# Altium PCB TCS-1900.PcbDoc (part 1 of 2)
Units mm, origin at the board's own origin, x right, y up, seen from the top; angles counter-clockwise.
Board outline 76.53 x 65.3 mm, 2 copper layers (Top Layer, Bottom Layer); 172 components, 114 nets, 608 pads, 144 vias.
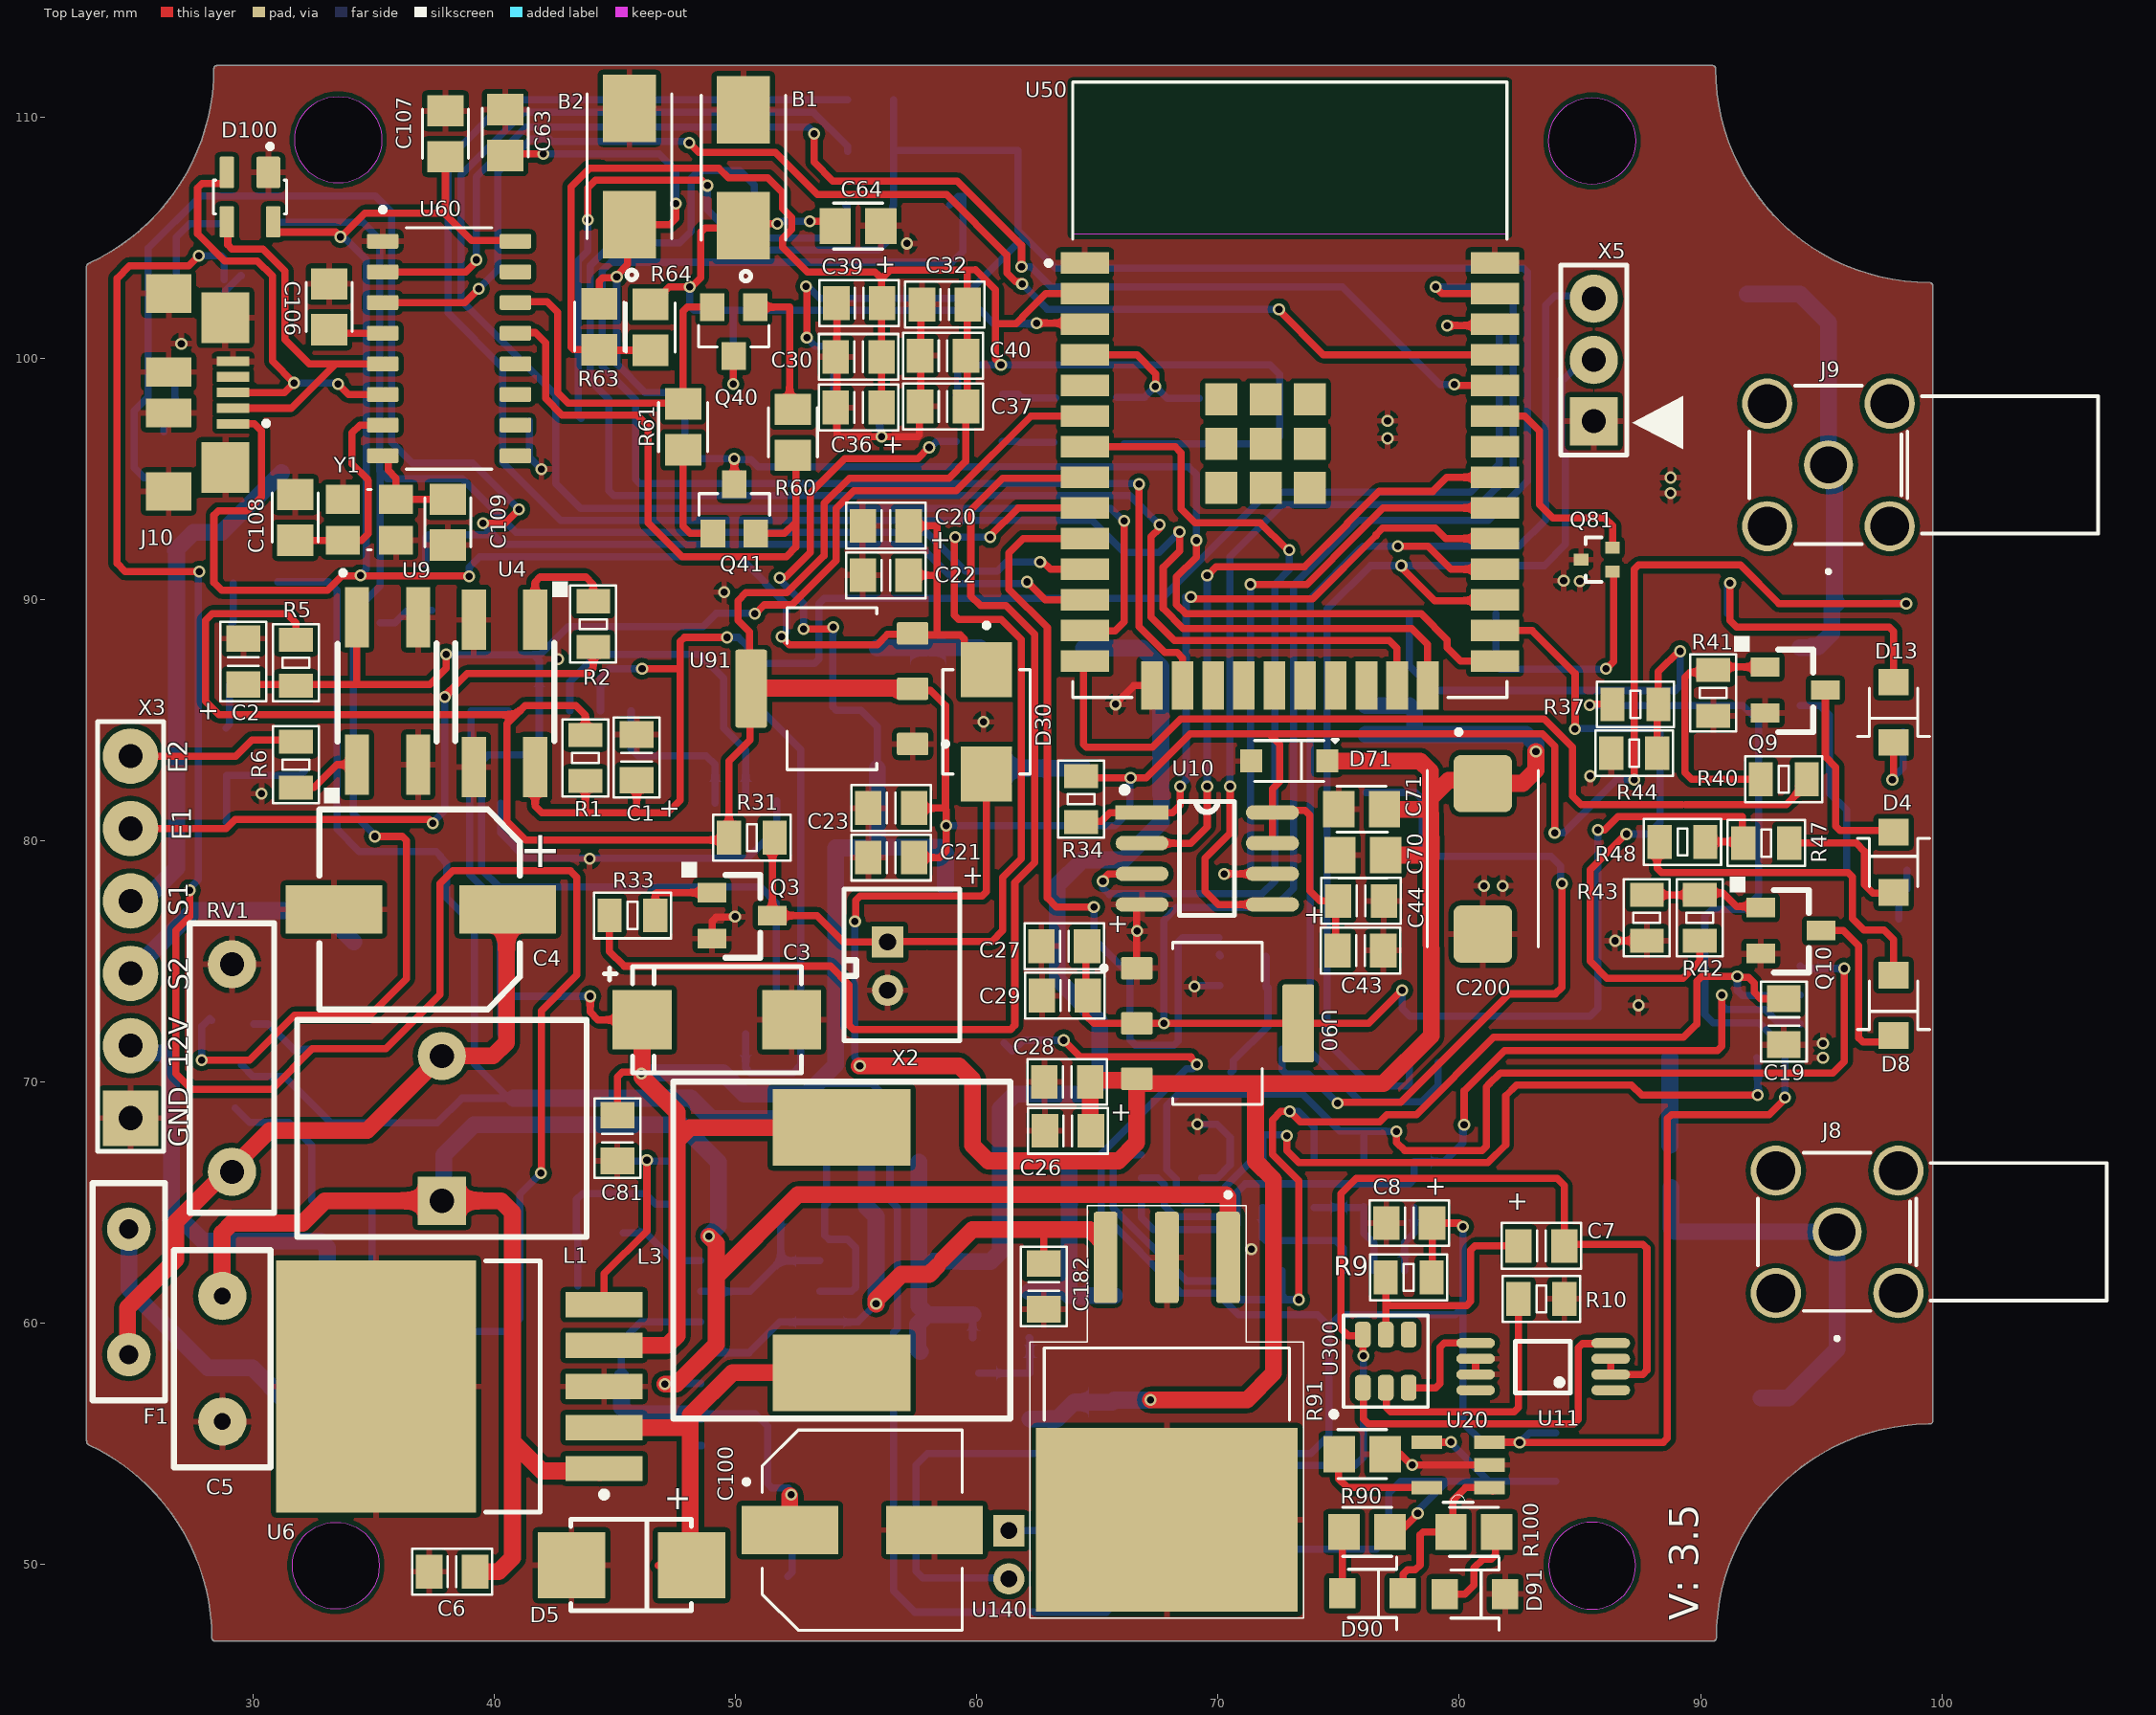
[diagram p0: Top Layer view]
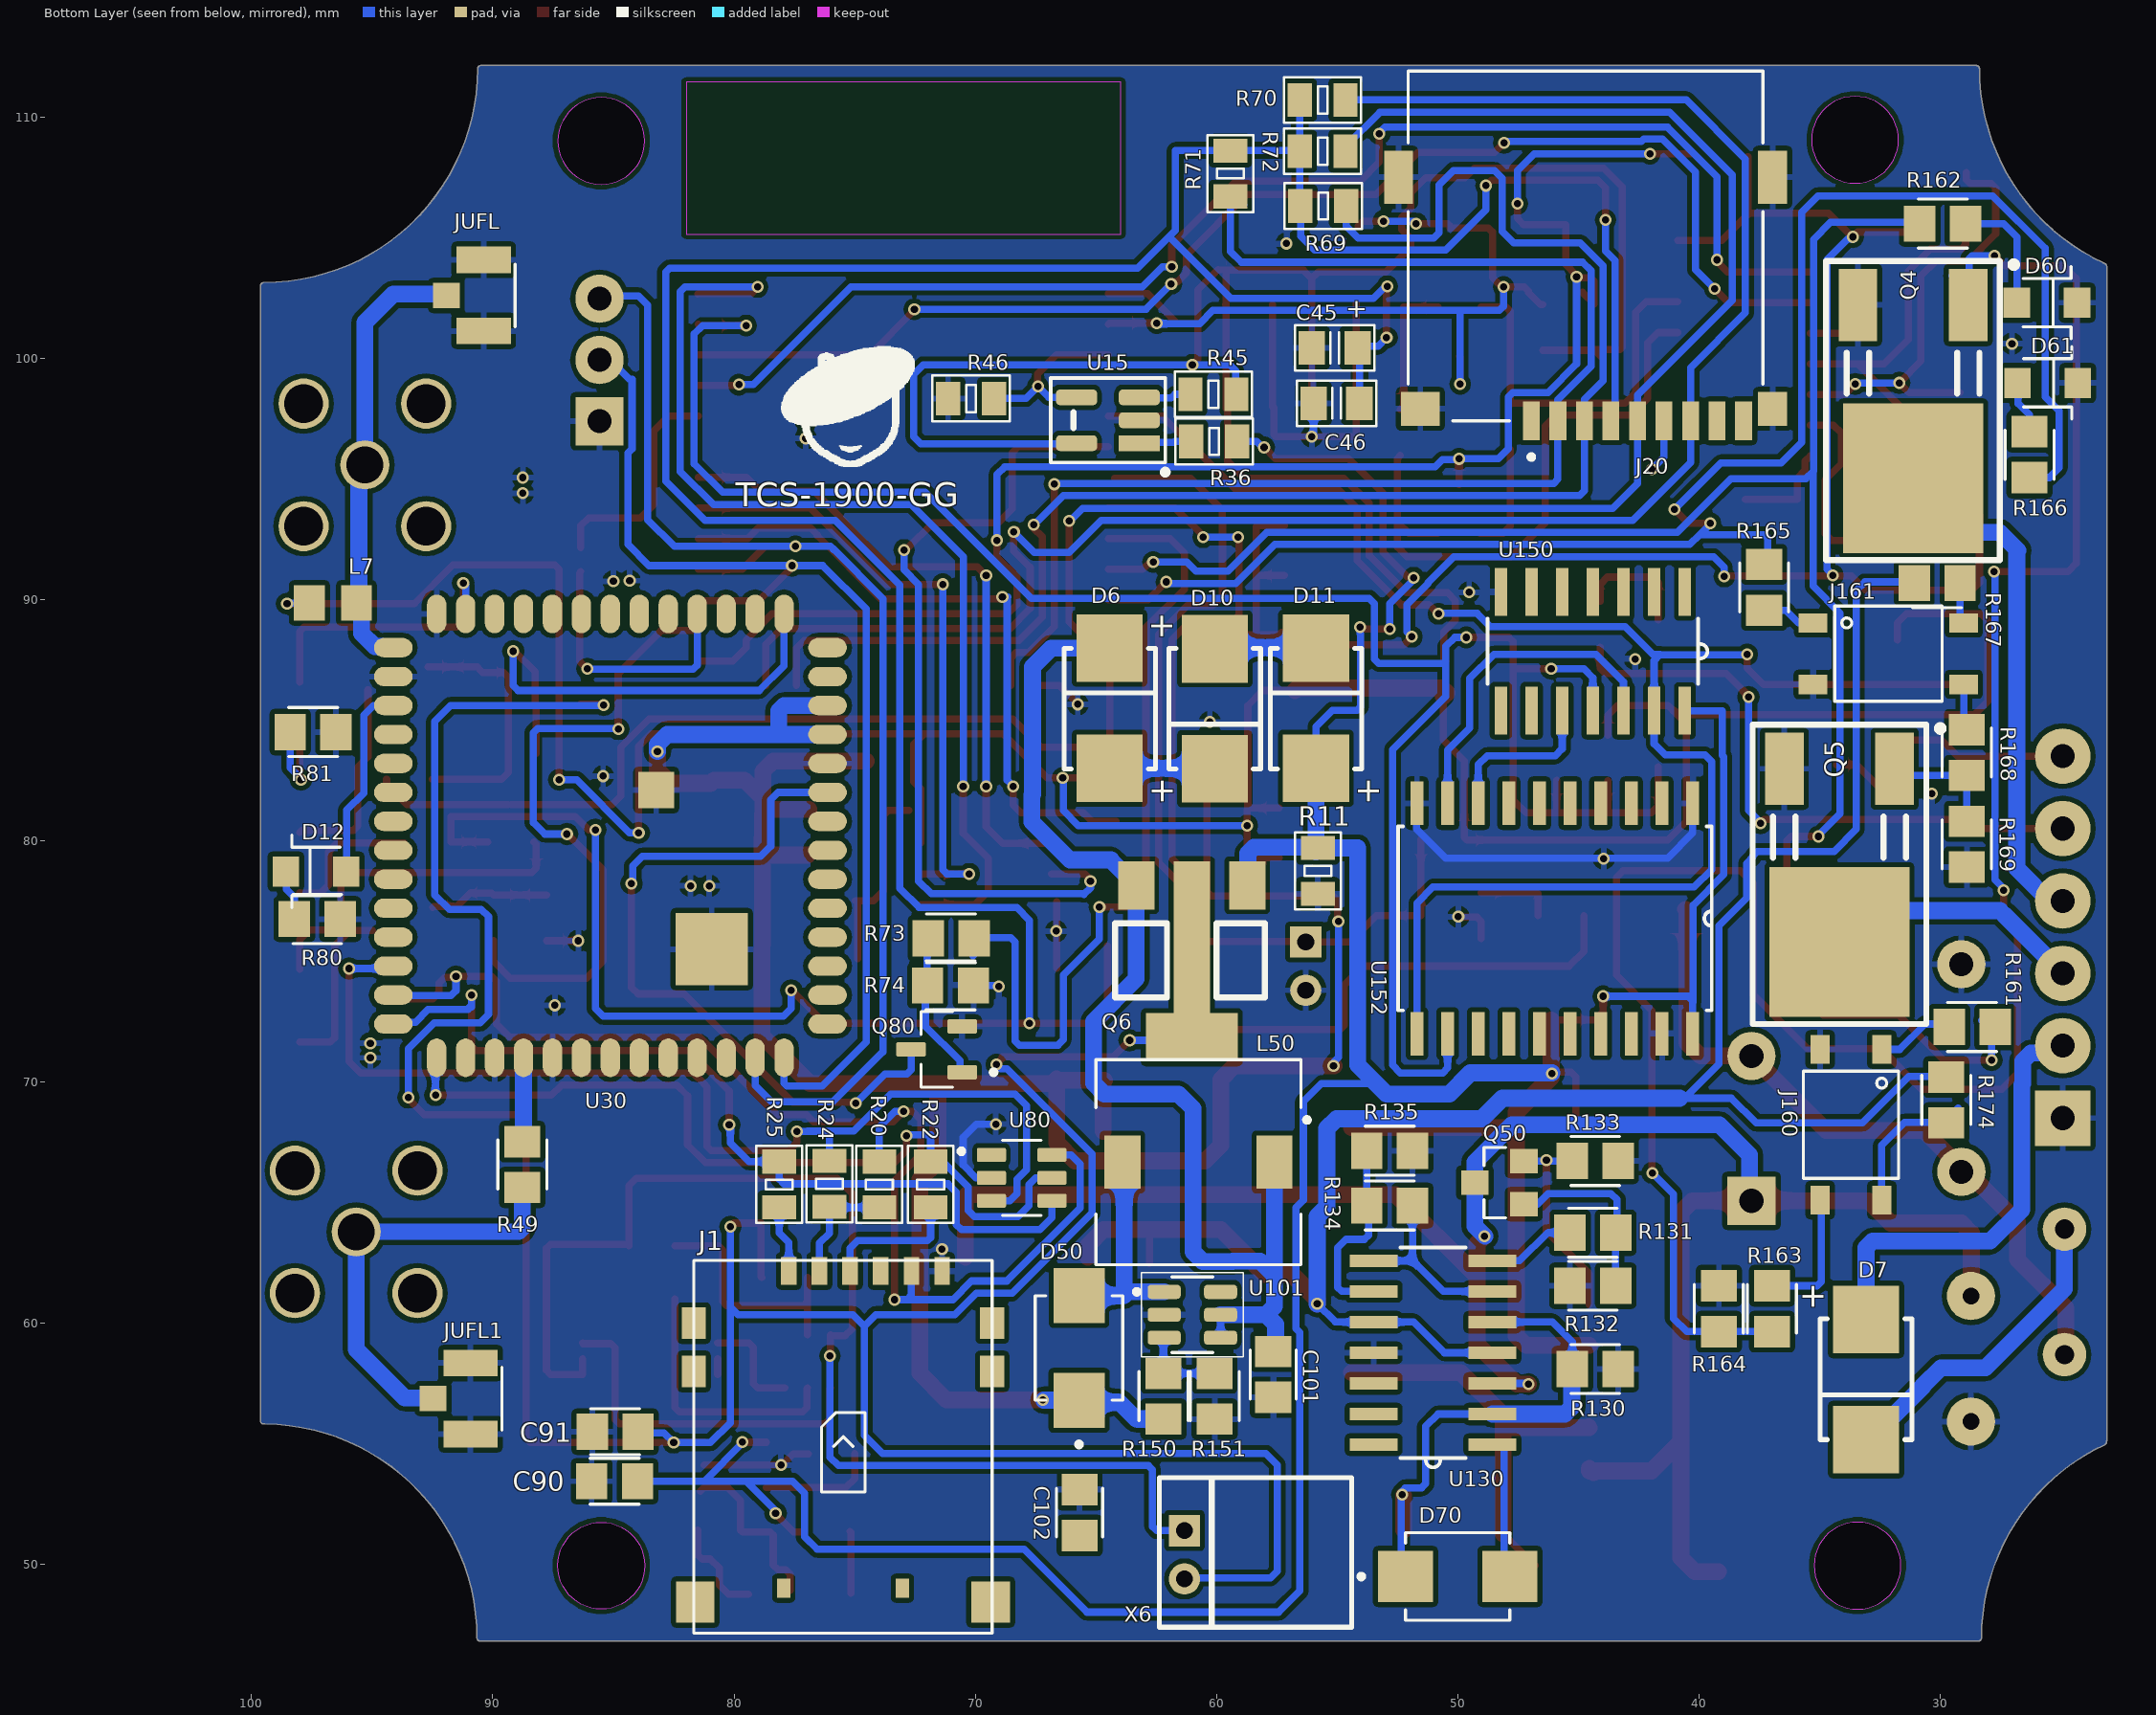
[diagram p1: Bottom Layer view, seen from below]
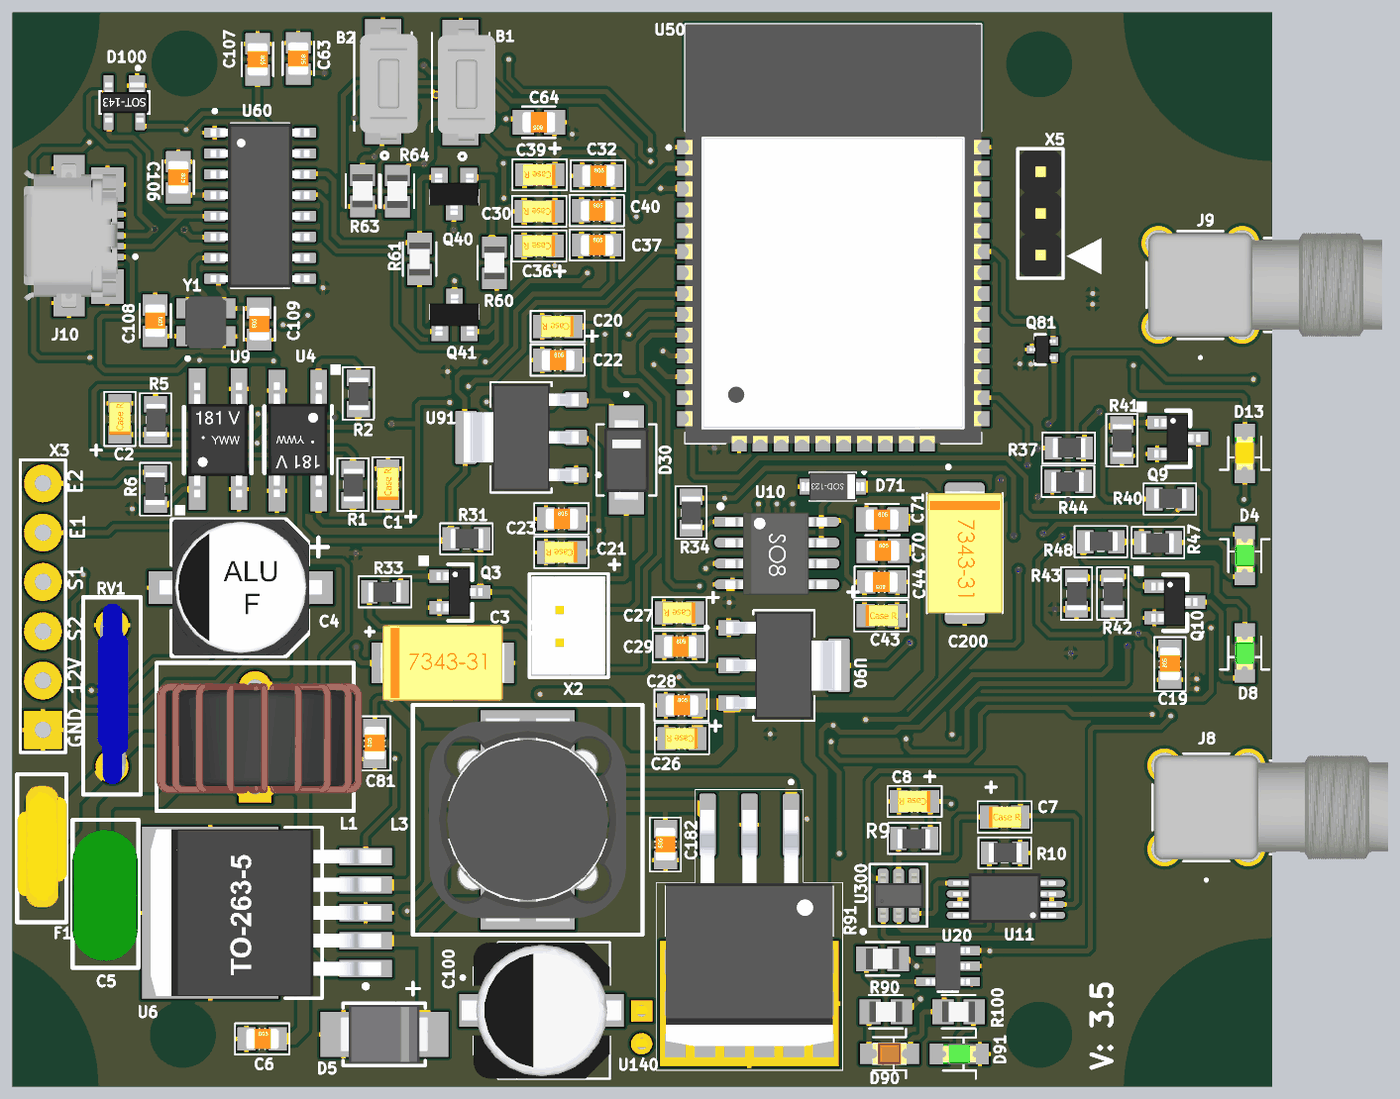
[diagram p3: 3D render of the assembled board from above, using the file's embedded part models]
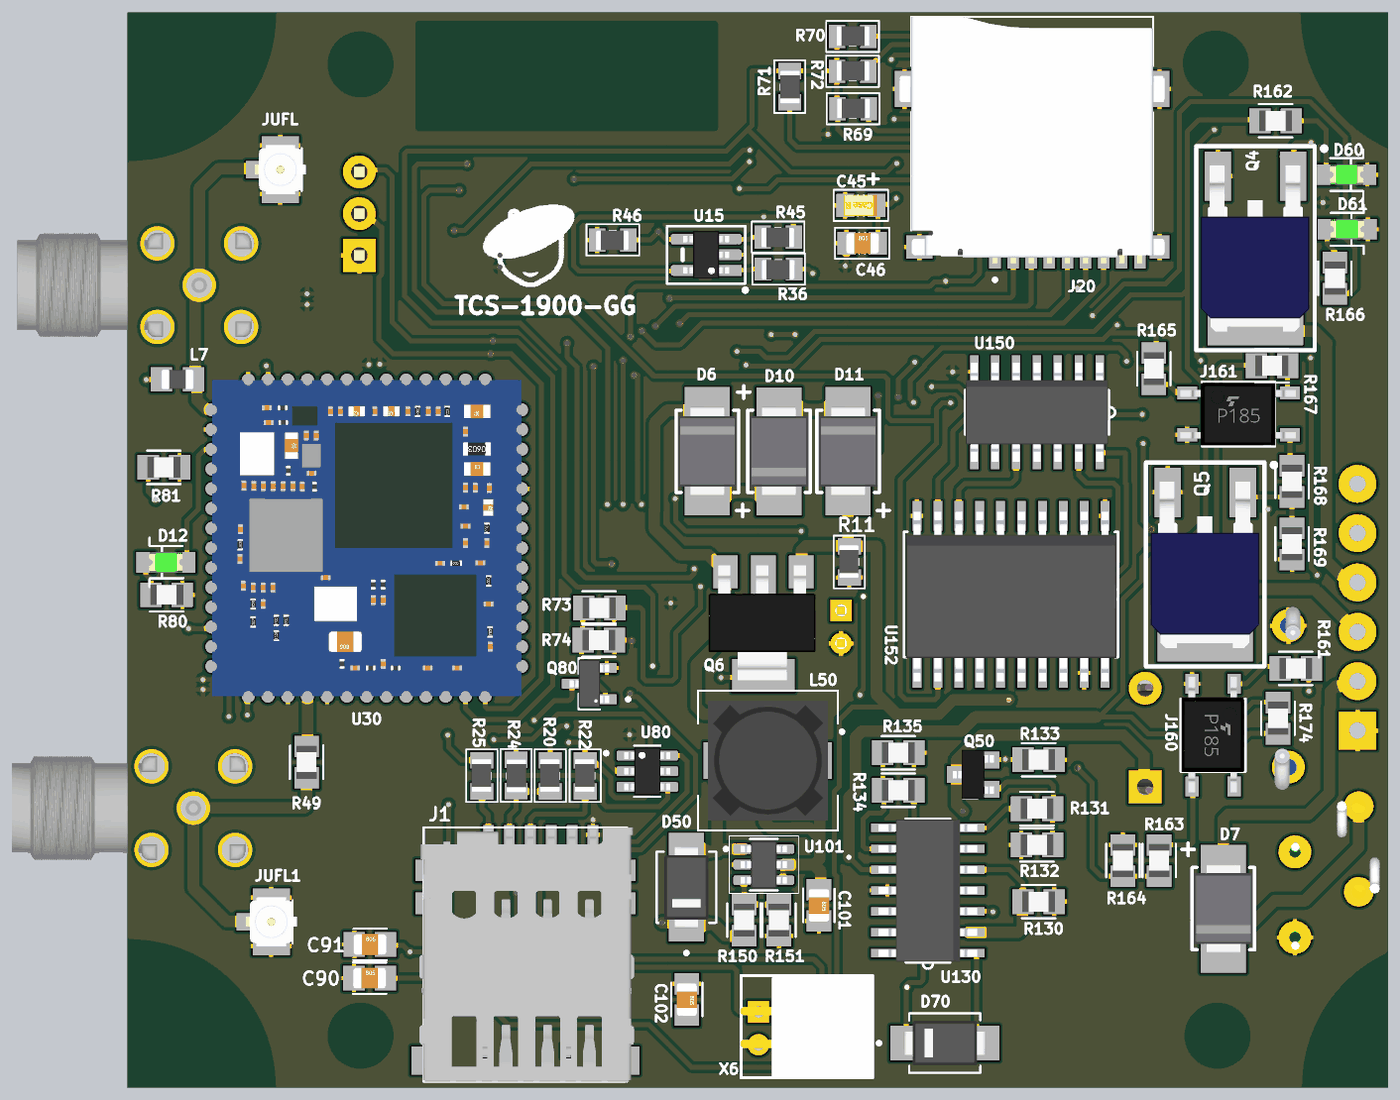
[diagram p4: 3D render of the assembled board from below, using the file's embedded part models]

## Layer stack, top to bottom
Top Solder: solder mask 0.0102, Solder Resist, Dk 3.5
Top Layer: signal copper 0.0356
Dielectric1: dielectric 0.32, FR-4, Dk 4.8
Bottom Layer: signal copper 0.0356
Bottom Solder: solder mask 0.0102, Solder Resist, Dk 3.5

## Board outline
28.293,46.95 ccw(c19.42,46.925) 23.18,54.962 cw(c23.234,55.077) 23.107,55.078 cw(c23.225,55.125) 23.098,55.125 23.098,103.8 cw(c23.225,103.8) 23.187,103.922 cw(c23.276,103.831) 23.223,103.946 ccw(c19.5,112) 28.373,112 cw(c28.5,112) 28.5,112.127 90.499,112.127 cw(c90.5,112) 90.627,112 ccw(c99.5,112) 99.5,103.127 cw(c99.5,103) 99.627,103 99.627,102.999 ccw(c99.5,103) 99.627,103 99.627,102.999 99.627,55.95 cw(c99.5,55.95) 99.475,55.825 cw(c99.449,55.95) 99.45,55.822 ccw(c99.525,46.95) 90.652,46.95 cw(c90.525,46.95) 90.652,46.95 cw(c90.525,46.95) 90.525,46.823 28.475,46.823 cw(c28.475,46.95) 28.447,46.826 cw(c28.42,46.95)
cut-out: 85.5,107.2 cw(c85.5,109) 83.7,109 cw(c85.5,109) 85.5,110.8 cw(c85.5,109) 87.3,109 cw(c85.5,109)
cut-out: 83.7,49.95 ccw(c85.5,49.95) 85.5,48.15 ccw(c85.5,49.95) 87.3,49.95 ccw(c85.5,49.95) 85.5,51.75 ccw(c85.5,49.95)
cut-out: 33.43,48.15 cw(c33.43,49.95) 31.63,49.95 cw(c33.43,49.95) 33.43,51.75 cw(c33.43,49.95) 35.23,49.95 cw(c33.43,49.95)
cut-out: 33.53,107.25 cw(c33.53,109.05) 31.73,109.05 cw(c33.53,109.05) 33.53,110.85 cw(c33.53,109.05) 35.33,109.05 cw(c33.53,109.05)

## Design rules (kind name [scope] priority, off if disabled: settings)
Clearance "Stitching GND" [IsStitchingVia and InNet('GND') vs (IsVia and (Not IsStitchingVia)) Or IsPad] p1: gap=0.127 ignorepadtopadclearanceinfootprint=FALSE
Clearance [All] p2: gap=0.2 ignorepadtopadclearanceinfootprint=FALSE except(0: Arc-Hole Track-Hole SMDPad-Hole THPad-Hole Via-Hole Fill-Hole Poly-Hole Region-Hole Text-Hole)
HoleSize [All] p1: absolutevalues=TRUE maxlimit=0.3 minlimit=0.3 maxpercent=80.000 minpercent=20.000
PlaneClearance [All] p1: clearance=0.5
PlaneConnect [All] p1: planeconnectstyle=Relief reliefexpansion=0.504 reliefentries=4 reliefconductorwidth=0.2 reliefairgap=0.2
PolygonConnect [All] p1: connectstyle=Relief reliefconductorwidth=0.254 reliefentries=4 polygonreliefangle="90 Angle" airgapwidth=0.2
RoutingVias [All] p1: holewidth=0.3 width=0.5 viastyle="Through Hole" minholewidth=0.2 minwidth=0.5 maxholewidth=0.5 maxwidth=0.7
SilkToSolderMaskClearance SilkscreenOverComponentPads [IsPad] p1: minsilkscreentomaskgap=0.254 clearancetoexposedcopper=TRUE
SolderMaskExpansion [All] p1: expansion=0.102
Width [All] p1: maxlimit=0.7 minlimit=0.254 preferedwidth=0.3
26 further rules are at their usual default settings.

## Components (designator, comment, footprint, x,y, rotation, side; value= is the part's Value field where it differs from the comment)
B1 "buton-SMD" SW_147873-2 50.325,107.9 r90 top
B2 "buton-SMD" SW_147873-2 45.6,107.95 r90 top
C1 "10uF/5V" CT_0805 45.9,83.45 r90 top
C2 "10uF/5V" CT_0805 29.6,87.425 r90 top
C3 "330uF/10V" CPM7343-31 49.225,72.575 r0 top
C4 "470uF/35V" Cap_8x10 41.05,77.15 r180 top
C5 "100nF" Cap_poly 28.725,58.525 r0 top
C6 "100nF" C_0805 38.25,49.7 r0 top
C7 "10uF/5V" CT_0805 83.4,63.2 r0 top
C8 "10uF/5V" CT_0805 77.925,64.15 r180 top
C19 "22nF" C_0805 93.45,72.5 r90 top
C20 "47uF/5V" CT_0805 56.225,93.05 r180 top
C21 "47uF/5V" CT_0805 56.45,79.3 r180 top
C22 "100nF" C_0805 56.225,91 r0 top
C23 "100nF" C_0805 56.45,81.35 r0 top
C26 "47uF/5V" CT_0805 63.775,67.975 r180 top
C27 "47uF/5V" CT_0805 63.625,75.625 r180 top
C28 "100nF" C_0805 63.75,70 r0 top
C29 "100nF" C_0805 63.65,73.575 r0 top
C30 "10uF/5V" CT_0805 55.1,100.05 r180 top
C32 "100nF" C_0805 58.675,102.225 r0 top
C36 "10uF/5V" CT_0805 55.1,97.95 r180 top
C37 "100nF" C_0805 58.6,98 r0 top
C39 "10uF/5V" CT_0805 55.125,102.275 r180 top
C40 "100nF" C_0805 58.6,100.1 r0 top
C43 "10uF/5V" CT_0805 75.9,75.45 r0 top
C44 "100nF" C_0805 75.925,77.5 r180 top
C45 "10uF/5V" CT_0805 55.1,100.425 r0 bottom
C46 "100nF" C_0805 55.025,98.125 r180 bottom
C63 "1uF" C_0805-3D 40.45,109.35 r270 top
C64 "1uF" C_0805-3D 55.075,105.475 r180 top
C70 "10uF/5V" C_0805-3D 76,79.4 r0 top
C71 "100nf" C_0805-3D 75.95,81.3 r0 top
C81 "100nF" C_0805 45.1,67.675 r90 top
C90 "4.7uF/5V" C_0805-3D 84.95,53.45 r180 bottom
C91 "4.7uF/5V" C_0805-3D 84.925,55.5 r180 bottom
C100 "CAP" "CAP_EEEFP1V221AV - duplicate" 55.25,51.425 r0 top value=100nF
C101 "capacitor caramico" C_0805-3D 57.65,57.875 r270 bottom value=22uF
C102 "capacitor caramico" C_0805-3D 65.675,52.15 r270 bottom value=22uF
C106 "capacitor caramico" C_0805-3D 33.15,102.125 r270 top value=10nf
C107 "capacitor caramico" C_0805-3D 37.975,109.3 r270 top value=0.1uf
C108 "capacitor caramico" C_0805-3D 31.75,93.4 r270 top value=22pf
C109 "capacitor caramico" C_0805-3D 38.075,93.2 r90 top value=22pf
C182 "100nF" C_0805 62.775,61.525 r90 top
C200 "293D107X9010D2TE3" CAP-TANTALIO-PM7343X310N 80.975,79.25 r270 top value=100uF
D4 "LTST-C171GKT" D_0805-GREEN 98,79.1 r90 top
D5 "MBRS360BT3G" p_403 45.625,49.975 r180 top
D6 "MBRS360BT3G" p_403 64.425,85.425 r270 bottom
D7 "MBRS360BT3G" p_403 33.075,57.725 r90 bottom
D8 "LTST-C171GKT" D_0805-GREEN 98,73.175 r270 top
D10 "MBRS360BT3G" p_403 60.075,85.525 r90 bottom
D11 "MBRS360BT3G" p_403 55.875,85.425 r270 bottom
D12 "LTST-C171GKT" D_0805-GREEN 97.325,78.725 r0 bottom
D13 "LTST-C171GKT" "D_0805 - YELOW" 98,85.325 r270 top
D30 "SS56B-HF" "SS56B-HF DO-214AA (SMB)" 60.4,84.925 r270 top value="Diodo Schottky 60 V 5A"
D50 "SS56B-HF" "SS56B-HF DO-214AA (SMB)" 65.7,58.975 r90 bottom value="Diodo Schottky 60 V 5A"
D60 "LTST-C171GKT" D_0805-GREEN 25.575,102.3 r180 bottom
D61 "LTST-C171GKT" D_0805-GREEN 25.55,98.975 r180 bottom
D70 "SS56B-HF" "SS56B-HF DO-214AA (SMB)" 50,49.5 r180 bottom value="Diodo Schottky 60 V 5A"
D71 "MMSZ5231BT1G" SOD_123 72.95,83.3 r0 top
D90 "RED" D_0805-RED 76.4,48.8 r0 top
D91 "GREEN" D_0805-GREEN 80.65,48.775 r0 top value=LTST-C171GKT
D100 "SP0503BAHTG" SOT143 29.875,106.674 r180 top
F1 "RXEF065" Polyswitch 24.85,61.3 r180 top
J1 "78646-3001" MICRO-SIM_CARD_HOLDER_78646-3001(Primary) 81.67,62.6 r270 bottom
J8 "5-1814400-1" 5-1814400-1 95.66,63.785 r270 top
J9 "5-1814400-1" 5-1814400-1 95.3,95.575 r270 top
J10 "ZX62R-B-5P" HRS_ZX62R-B-5P 26.5,98.575 r270 top
J20 "SD-micro-GTFP08131Y2HR" AMPHENOL_GTFP08131Y2HR 44.7,107.5 r0 bottom
J160 "TLP185" SOP-4-2.54MM 33.725,68 r0 bottom
J161 "TLP185" SOP-4-2.54MM 31.925,87.725 r270 bottom